# KiCad board HYDRA_VMM3_Adapter_V2.kicad_pcb (continued)
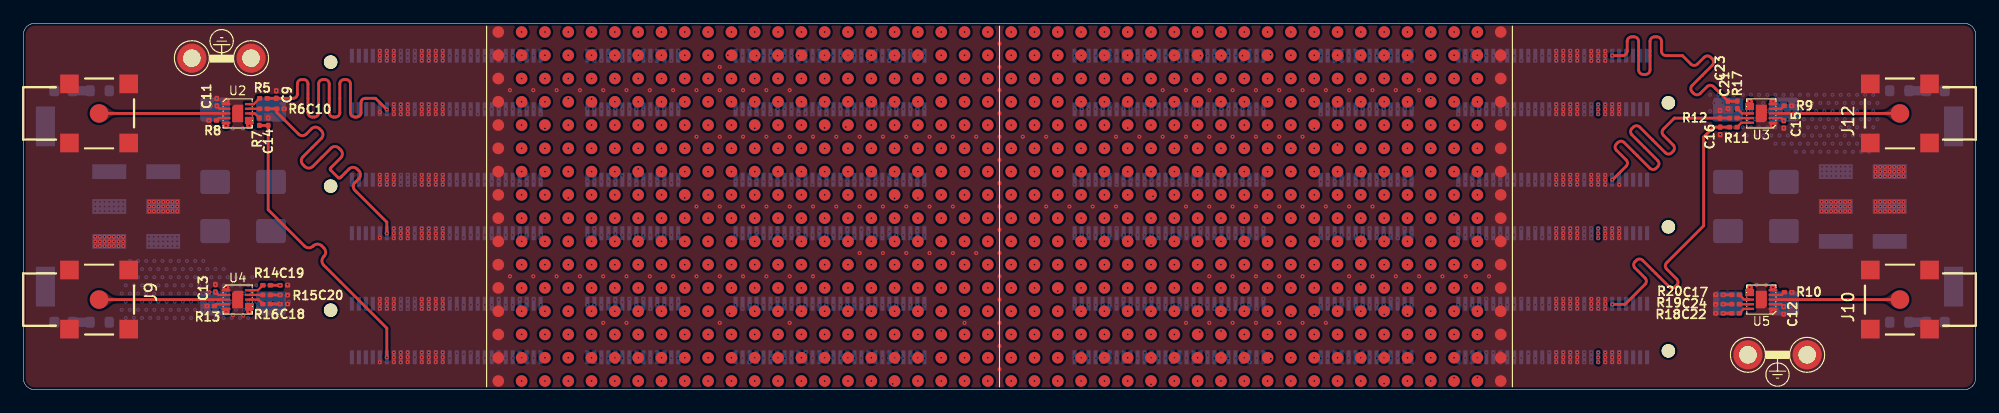
[diagram p0: board, top side]
## Routing (per net, layer and track width the routed paths; a pad name or vN(x,y) marks a point on that pad's centre or on a via; arc(x,y) is an arc through that point) (continued)
Col_2-Row_1: length 7
  In1.Cu w0.1: v6(36.59,28.71) 38.62,30.75 v1(42.75,30.75)
Col_2-Row_2: length 6.1
  In1.Cu w0.1: v6(37.19,28.71) 37.86,28.04 42.04,28.04 v1(42.75,28.75)
Col_2-Row_3: length 5.8
  In5.Cu w0.1: v7(42.75,26.75) 39.75,26.75 v3(37.78,28.71)
Col_2-Row_4: length 6.4
  In1.Cu w0.1: v1(42.75,24.75) 37.23,24.75 v6(36.59,24.11)
Col_2-Row_5: length 6.1
  In3.Cu w0.1: v5(37.19,24.11) 38.55,22.75 v4(42.75,22.75)
Col_2-Row_6: length 6.4
  In1.Cu w0.1: v1(42.75,20.75) 41.15,20.75 v6(37.78,24.11)
Col_2-Row_7: length 5.9
  In1.Cu w0.1: v6(37.19,17.91) 38.03,18.75 v1(42.75,18.75)
Col_2-Row_8: length 6.8
  In1.Cu w0.1: v1(42.75,16.75) 42.54,16.54 37.96,16.54 v6(36.59,17.91)
Col_2-Row_9: length 6.8
  In1.Cu w0.1: v6(36.59,13.31) 38.03,14.75 v1(42.75,14.75)
Col_2-Row_10: length 6.1
  In1.Cu w0.1: v1(42.75,12.75) 41.79,13.71 37.59,13.71 v6(37.19,13.31)
Col_2-Row_11: length 6
  In1.Cu w0.1: v6(37.78,13.09) 37.78,12.96 39.99,10.75 v1(42.75,10.75)
Col_2-Row_12: length 2.4
  In5.Cu w0.1: v3(41.39,7.31) 41.39,8.04 42.09,8.75 v7(42.75,8.75)
Col_2-Row_13: length 2.4
  In1.Cu w0.1: v1(42.75,6.75) 41.78,6.75 v6(40.78,7.74)
Col_2-Row_14: length 7.4
  In1.Cu w0.1: v6(36.59,7.78) 37.06,7.78 40.09,4.75 v1(42.75,4.75)
Col_2-Row_15: length 8
  In1.Cu w0.1: v6(37.19,6.99) 37.19,5.84 40.28,2.75 v1(42.75,2.75)
Col_2-Row_16: length 10.1
  In3.Cu w0.1: v4(42.75,0.75) 40.23,0.75 37.78,3.2 v5(37.78,7.31)
Col_3-Row_1: length 7.2
  In1.Cu w0.1: v6(38.39,28.71) 39.87,30.2 44.2,30.2 v1(44.75,30.75)
Col_3-Row_2: length 7.1
  In1.Cu w0.1: v1(44.75,28.75) 43.56,27.56 v2(39.47,27.56)
  In5.Cu w0.1: v3(38.98,28.71) 38.98,28.04 v2(39.47,27.56)
Col_3-Row_3: length 6
  In3.Cu w0.1: v4(44.75,26.75) 44.13,27.37 40.92,27.37 v5(39.59,28.71)
Col_3-Row_4: length 6.6
  In1.Cu w0.1: v6(38.39,24.11) 38.62,24.35 44.35,24.35 v1(44.75,24.75)
Col_3-Row_5: length 6.4
  In1.Cu w0.1: v1(44.75,22.46) 44.67,22.38 41.45,22.38 40.11,23.72 v6(38.98,23.72)
Col_3-Row_6: length 6.6
  In5.Cu w0.1: v7(44.75,20.75) 42.95,20.75 v3(39.59,24.11)
Col_3-Row_7: length 7.6
  In1.Cu w0.1: v1(44.75,18.75) 44.3,19.2 38.85,19.2 v2(38.83,19.18)
  In5.Cu w0.1: v3(38.39,17.91) 38.39,18.74 v2(38.83,19.18)
Col_3-Row_8: length 7.4
  In1.Cu w0.1: v6(37.78,17.91) 38.52,17.17 44.33,17.17 v1(44.75,16.75)
Col_3-Row_9: length 7
  In3.Cu w0.1: v5(38.39,13.31) 39.83,14.75 v4(44.75,14.75)
Col_3-Row_10: length 6.3
  In1.Cu w0.1: v1(44.75,12.75) 44.32,12.32 39.97,12.32 v6(38.98,13.31)
Col_3-Row_11: length 6.2
  In5.Cu w0.1: v3(39.59,13.31) 42.15,10.75 v7(44.75,10.75)
Col_3-Row_12: length 2.6
  In5.Cu w0.1: v3(42.59,7.77) 43.56,8.75 v7(44.75,8.75)
Col_3-Row_13: length 3
  In1.Cu w0.1: v6(41.98,7.31) 42.72,7.31 43.28,6.75 v1(44.75,6.75)
Col_3-Row_14: length 7.4
  In1.Cu w0.1: v6(38.39,7.31) 40.38,5.32 44.18,5.32 v1(44.75,4.75)
Col_3-Row_15: length 8.8
  In1.Cu w0.1: v10(43.81,3.7) 43.81,3.68 v1(44.75,2.75)
  In3.Cu w0.1: v9(43.83,5.66) 43.81,5.65 v10(43.81,3.7)
  In5.Cu w0.1: v3(38.98,7.31) 40.64,5.66 v9(43.83,5.66)
Col_3-Row_16: length 8.7
  In3.Cu w0.1: v4(44.75,0.75) 39.59,5.91 v5(39.59,7.31)
Col_4-Row_1: length 7.4
  In3.Cu w0.1: v5(40.19,28.71) 42.23,30.75 v4(46.75,30.75)
Col_4-Row_2: length 6.5
  In1.Cu w0.1: v6(40.78,28.71) 41.47,29.39 46.11,29.39 v1(46.75,28.75)
Col_4-Row_3: length 6.2
  In5.Cu w0.1: v3(41.39,28.71) 43.34,26.75 v7(46.75,26.75)
Col_4-Row_4: length 6.9
  In3.Cu w0.1: v4(46.75,25.03) 41.11,25.03 v5(40.19,24.11)
Col_4-Row_5: length 6.5
  In5.Cu w0.1: v7(46.75,22.75) 42.15,22.75 v3(40.78,24.11)
Col_4-Row_6: length 6.8
  In3.Cu w0.1: v4(46.75,20.75) 44.38,23.12 42.37,23.12 v5(41.39,24.11)
Col_4-Row_7: length 7.9
  In3.Cu w0.1: v4(46.75,18.75) 46.33,19.17 40.84,19.17 v5(39.59,17.91)
Col_4-Row_8: length 8.5
  In5.Cu w0.1: v3(38.98,17.91) 40.6,16.29 46.55,16.29 v7(46.75,16.49)
Col_4-Row_9: length 7.2
  In5.Cu w0.1: v3(40.19,13.31) 41.62,14.75 v7(46.75,14.75)
Col_4-Row_10: length 6.2
  In3.Cu w0.1: v5(40.78,13.31) 41.34,12.75 v4(46.75,12.75)
Col_4-Row_11: length 6.4
  In5.Cu w0.1: v7(46.75,10.75) 46.12,11.38 43.31,11.38 v3(41.39,13.31)
Col_4-Row_12: length 3.4
  In5.Cu w0.1: v3(43.78,7.76) 45.76,7.76 v7(46.75,8.75)
Col_4-Row_13: length 3.9
  In5.Cu w0.1: v7(46.75,6.75) 44.03,6.75 v3(43.19,7.6)
Col_4-Row_14: length 7.6
  In1.Cu w0.1: v6(40.19,7.31) 41.42,6.07 45.43,6.07 v1(46.75,4.75)
Col_4-Row_15: length 11.6
  In1.Cu w0.1: v1(46.75,2.75) 46.55,2.75 45.09,4.21 v2(39.4,4.21)
  In5.Cu w0.1: v2(39.4,4.21) 37.66,4.21 36.59,3.14 v3(36.59,2.71)
Col_4-Row_16: length 11.1
  In5.Cu w0.1: v3(37.19,3.13) 37.19,2.78 39.68,0.28 46.28,0.28 v7(46.75,0.75)
Col_5-Row_1: length 7.6
  In3.Cu w0.1: v4(48.75,30.75) 47.95,29.95 43.23,29.95 v5(41.98,28.71)
Col_5-Row_2: length 6.2
  In3.Cu w0.1: v5(42.59,28.71) 42.62,28.75 v4(48.75,28.75)
Col_5-Row_3: length 6.4
  In5.Cu w0.1: v7(48.75,26.75) 47.83,27.67 44.23,27.67 v3(43.19,28.71)
Col_5-Row_4: length 7.1
  In5.Cu w0.1: v3(41.98,24.11) 42.88,25 v7(48.75,25)
Col_5-Row_5: length 6.6
  In1.Cu w0.1: v1(48.75,22.75) 48.17,23.33 43.68,23.33 43.29,23.72 v6(42.59,23.72)
Col_5-Row_6: length 7
  In3.Cu w0.1: v4(48.75,20.75) 48.06,20.75 44.7,24.11 v5(43.19,24.11)
Col_5-Row_7: length 9
  In5.Cu w0.1: v7(48.75,18.75) 47.97,19.53 42.41,19.53 v3(40.78,17.91)
Col_5-Row_8: length 9
  In5.Cu w0.1: v7(48.75,16.75) 48.57,16.93 41.16,16.93 v3(40.19,17.91)
Col_5-Row_9: length 7.7
  In1.Cu w0.1: v7(48.75,14.75) 48.43,14.75
  In5.Cu w0.1: v3(41.98,13.31) 42.7,14.02 48.02,14.02 v7(48.75,14.75)
Col_5-Row_10: length 6.7
  In3.Cu w0.1: v4(48.75,12.75) 47.28,12.75 46.35,13.68 42.96,13.68 v5(42.59,13.31)
Col_5-Row_11: length 6.6
  In5.Cu w0.1: v3(43.19,13.31) 44.61,11.89 46.82,11.89 47.96,10.75 v7(48.75,10.75)
Col_5-Row_12: length 1.6
  In5.Cu w0.1: v3(48.4,7.31) 48.4,8.39 v7(48.75,8.75)
Col_5-Row_13: length 4.6
  In5.Cu w0.1: v7(48.75,6.75) 48.22,6.75 47.66,7.31 v3(44.39,7.31)
Col_5-Row_14: length 12.8
  In3.Cu w0.1: v9(41.51,5.01) 42.53,6.03 47.47,6.03 v4(48.75,4.75)
  In5.Cu w0.1: v9(41.51,5.01) 41.02,5.01 39.84,3.83 38.54,3.83 37.78,3.08 v3(37.78,3.05)
Col_5-Row_15: length 10.9
  In1.Cu w0.1: v6(38.39,3.15) 39.08,3.15 39.94,2.28 48.28,2.28 v1(48.75,2.75)
Col_5-Row_16: length 11.4
  In1.Cu w0.1: v1(48.75,0.75) 48.25,0.25 40.7,0.25 38.98,1.96 v6(38.98,2.71)
Col_6-Row_1: length 8.4
  In5.Cu w0.1: v3(43.78,28.71) 43.78,29.65 44.89,30.75 v7(50.75,30.75)
Col_6-Row_2: length 6.9
  In1.Cu w0.1: v2(47.75,29.35) 50.15,29.35 v1(50.75,28.75)
  In5.Cu w0.1: v2(47.75,29.35) 47.11,28.71 v3(44.39,28.71)
Col_6-Row_3: length 2.4
  In3.Cu w0.1: v5(49,28.3) 50.55,26.75 v4(50.75,26.75)
Col_6-Row_4: length 7.2
  In1.Cu w0.1: v2(47.8,24.5) 50.5,24.5 v1(50.75,24.75)
  In5.Cu w0.1: v3(43.78,24.11) 44.17,24.5 v2(47.8,24.5)
Col_6-Row_5: length 6.8
  In1.Cu w0.1: v6(44.39,23.71) 49.79,23.71 v1(50.75,22.75)
Col_6-Row_6: length 4.3
  In5.Cu w0.1: v3(48.4,24.11) 48.4,23.1 v7(50.75,20.75)
Col_6-Row_7: length 9.5
  In1.Cu w0.1: v2(47.73,18.79) 48.17,18.36 50.36,18.36 v1(50.75,18.75)
  In5.Cu w0.1: v2(47.73,18.79) 47.67,18.86 42.93,18.86 v3(41.98,17.91)
Col_6-Row_8: length 10.2
  In3.Cu w0.1: v5(41.39,17.91) 41.76,18.28 48.3,18.28 49.83,16.75 v4(50.75,16.75)
Col_6-Row_9: length 7.9
  In1.Cu w0.1: v6(43.78,13.31) 46.18,13.31 48.01,15.14 50.36,15.14 v1(50.75,14.75)
Col_6-Row_10: length 6.6
  In1.Cu w0.1: v2(47.31,13.31) 50.19,13.31 v1(50.75,12.75)
  In5.Cu w0.1: v2(47.31,13.31) v3(44.39,13.31)
Col_6-Row_11: length 3.5
  In5.Cu w0.1: v3(48.4,13.31) 48.4,13.1 v7(50.75,10.75)
Col_6-Row_12: length 1.9
  In5.Cu w0.1: v7(50.75,8.75) 49.59,7.59 v3(49.59,7.31)
Col_6-Row_13: length 2
  In5.Cu w0.1: v7(50.75,6.75) 49.56,6.75 v3(49,7.31)
Col_6-Row_14: length 12
  In5.Cu w0.1: v7(50.75,4.75) 50.52,4.52 41.4,4.52 v3(39.59,2.71)
Col_6-Row_15: length 11.9
  In1.Cu w0.1: v10(41.25,1.37) 49.37,1.37 v1(50.75,2.75)
  In3.Cu w0.1: v10(41.25,1.37) 40.19,2.43 v5(40.19,2.71)
Col_6-Row_16: length 10.8
  In5.Cu w0.1: v3(40.78,2.71) 42.37,1.12 47.48,1.12 47.86,0.75 v7(50.75,0.75)
Col_7-Row_1: length 5.2
  In5.Cu w0.1: v3(48.4,28.71) 48.77,29.08 50.22,29.08 51.89,30.75 v7(52.75,30.75)
Col_7-Row_2: length 3.6
  In1.Cu w0.1: v6(49.59,28.33) 49.61,28.32 50.86,28.32 51.59,29.05 52.45,29.05 v1(52.75,28.75)
Col_7-Row_3: length 3.4
  In3.Cu w0.1: v4(52.75,26.75) 52.16,26.75 v5(50.2,28.71)
Col_7-Row_4: length 4
  In5.Cu w0.1: v7(52.75,24.75) 49.64,24.75 v3(49,24.11)
Col_7-Row_5: length 3.7
  In3.Cu w0.1: v5(49.59,24.11) 50.95,22.75 v4(52.75,22.75)
Col_7-Row_6: length 4.4
  In5.Cu w0.1: v3(50.2,24.11) 50.2,23.3 v7(52.75,20.75)
Col_7-Row_7: length 10
  In5.Cu w0.1: v7(52.75,18.98) 50.01,18.98 49.39,18.36 43.64,18.36 v3(43.19,17.91)
Col_7-Row_8: length 10.6
  In1.Cu w0.1: v6(42.59,17.68) 42.84,17.43 50.8,17.43 51.48,16.75 v1(52.75,16.75)
Col_7-Row_9: length 4.1
  In1.Cu w0.1: v1(52.75,14.75) 51.36,14.75 50.44,13.83 v6(49,13.83)
Col_7-Row_10: length 3.4
  In3.Cu w0.1: v4(52.75,12.75) 50.16,12.75 v5(49.59,13.31)
Col_7-Row_11: length 3.6
  In5.Cu w0.1: v7(52.75,10.75) 52.75,10.75 v3(50.2,13.31)
Col_7-Row_12: length 2.4
  In5.Cu w0.1: v3(50.8,7.74) 51.81,8.75 v7(52.75,8.75)
Col_7-Row_13: length 2.8
  In1.Cu w0.1: v6(50.2,7.31) 50.89,7.31 51.45,6.75 v1(52.75,6.75)
Col_7-Row_14: length 12.9
  In1.Cu w0.1: v1(52.75,4.75) 52.45,5.05 v2(51.66,5.05)
  In3.Cu w0.1: v9(42.44,3.76) 42.98,3.22 49.83,3.22 v2(51.66,5.05)
  In5.Cu w0.1: v9(42.44,3.76) v3(41.39,2.71)
Col_7-Row_15: length 11.6
  In1.Cu w0.1: v2(46.22,3.68) 46.75,3.16 52.34,3.16 v1(52.75,2.75)
  In5.Cu w0.1: v3(41.98,2.71) 42.96,3.68 v2(46.22,3.68)
Col_7-Row_16: length 11
  In5.Cu w0.1: v3(42.59,2.71) 43.92,1.38 50.97,1.38 51.6,0.75 v7(52.75,0.75)
Col_8-Row_1: length 4.8
  In3.Cu w0.1: v5(50.8,28.71) 51.56,28.71 53.61,30.75 v4(54.75,30.75)
Col_8-Row_2: length 3.5
  In1.Cu w0.1: v6(51.4,28.33) 53.13,28.33 53.55,28.75 v1(54.75,28.75)
Col_8-Row_3: length 3.6
  In5.Cu w0.1: v7(54.75,26.75) 53.95,26.75 v3(52,28.71)
Col_8-Row_4: length 4.2
  In1.Cu w0.1: v1(54.75,24.75) 54.75,24.75 54.06,24.07 v6(50.8,24.07)
Col_8-Row_5: length 3.9
  In5.Cu w0.1: v3(51.4,24.11) 52.76,22.75 v7(54.75,22.75)
Col_8-Row_6: length 4.5
  In3.Cu w0.1: v5(52,24.11) 54.75,21.35 v4(54.75,20.75)
Col_8-Row_7: length 10.7
  In1.Cu w0.1: v1(54.75,18.75) 53.91,17.91 v2(47.02,17.91)
  In5.Cu w0.1: v2(47.02,17.91) 47.01,17.92 44.4,17.92 v3(44.39,17.91)
Col_8-Row_8: length 12
  In3.Cu w0.1: v5(43.78,17.91) 44.15,17.91 46.01,16.05 54.05,16.05 v4(54.75,16.75)
Col_8-Row_9: length 4.5
  In1.Cu w0.1: v6(50.8,13.47) 51.45,14.13 54.13,14.13 v1(54.75,14.75)
Col_8-Row_10: length 4
  In3.Cu w0.1: v5(51.4,13.31) 51.89,13.8 53.7,13.8 v4(54.75,12.75)
Col_8-Row_11: length 3.8
  In5.Cu w0.1: v3(52,13.31) 54.56,10.75 v7(54.75,10.75)
Col_8-Row_12: length 3.2
  In1.Cu w0.1: v6(52,7.79) 52.46,7.79 53.42,8.75 v1(54.75,8.75)
Col_8-Row_13: length 3.7
  In1.Cu w0.1: v6(51.4,7.52) 51.55,7.36 54.14,7.36 v1(54.75,6.75)
Col_8-Row_14: length 12.4
  In1.Cu w0.1: v2(47.08,3.84) 47.59,4.36 54.36,4.36 v1(54.75,4.75)
  In5.Cu w0.1: v2(47.08,3.84) 46.49,3.25 43.73,3.25 v3(43.19,2.71)
Col_8-Row_15: length 12.2
  In1.Cu w0.1: v2(48.42,3.87) 48.8,3.48 54.02,3.48 v1(54.75,2.75)
  In5.Cu w0.1: v3(43.78,2.71) 44.19,2.3 46.85,2.3 v2(48.42,3.87)
Col_8-Row_16: length 11.2
  In3.Cu w0.1: v5(44.39,2.71) 51.76,2.71 53.72,0.75 v4(54.75,0.75)
Col_9-Row_1: length 5
  In5.Cu w0.1: v7(56.75,30.75) 54.64,30.75 v3(52.59,28.71)
Col_9-Row_2: length 4
  In5.Cu w0.1: v3(53.2,28.71) 53.78,29.29 55.28,29.29 55.82,28.74 56.75,28.74 v7(56.75,28.75)
Col_9-Row_3: length 3.6
  In1.Cu w0.1: v1(56.75,26.75) 55.38,26.75 v6(53.8,28.33)
Col_9-Row_4: length 3.8
  In3.Cu w0.1: v5(53.2,24.11) 53.84,24.75 v4(56.75,24.75)
Col_9-Row_5: length 4.7
  In5.Cu w0.1: v7(56.75,22.75) 56,22.75 55.11,23.64 53.07,23.64 v3(52.59,24.11)
Col_9-Row_6: length 8.3
  In3.Cu w0.1: v4(56.75,20.75) 55.87,19.87 51.56,19.87 v5(49.59,17.91)
Col_9-Row_7: length 8.6
  In3.Cu w0.1: v4(56.75,18.75) 56.49,18.49 51.11,18.49 v9(49.87,17.25)
  In5.Cu w0.1: v9(49.87,17.25) 49.66,17.25 v3(49,17.91)
Col_9-Row_8: length 9.1
  In5.Cu w0.1: v3(48.4,17.91) 50.05,16.26 56.53,16.26 v7(56.75,16.48)
Col_9-Row_9: length 4.8
  In5.Cu w0.1: v7(56.75,14.75) 54.03,14.75 v3(52.59,13.31)
Col_9-Row_10: length 4.3
  In1.Cu w0.1: v6(53.2,13.31) 54.36,12.15 56.15,12.15 v1(56.75,12.75)
Col_9-Row_11: length 4
  In5.Cu w0.1: v3(53.8,13.31) 56.36,10.75 v7(56.75,10.75)
Col_9-Row_12: length 4
  In1.Cu w0.1: v1(56.75,8.75) 55.61,8.75 54.64,7.78 v6(53.19,7.78)
Col_9-Row_13: length 4.5
  In5.Cu w0.1: v7(56.75,6.75) 56.62,6.61 53.29,6.61 v3(52.59,7.31)
Col_9-Row_14: length 9.2
  In1.Cu w0.1: v1(56.75,4.75) 56.74,4.76 55.41,4.76 54.57,3.92 49.65,3.92 v2(49.64,3.93)
  In5.Cu w0.1: v2(49.64,3.93) 49.62,3.93 v3(48.4,2.71)
Col_9-Row_15: length 8.6
  In1.Cu w0.1: v1(56.75,2.75) 56.24,2.24 51.08,2.24 v2(50.59,1.75)
  In5.Cu w0.1: v3(49,2.71) 49.95,1.75 v2(50.59,1.75)
Col_9-Row_16: length 8
  In1.Cu w0.1: v2(51.51,1.42) 51.8,1.13 55.12,1.13 55.5,0.75 v1(56.75,0.75)
  In5.Cu w0.1: v2(51.51,1.42) 50.78,2.15 50.15,2.15 v3(49.59,2.71)
Col_10-Row_1: length 5.2
  In3.Cu w0.1: v4(58.75,30.75) 57.88,29.88 55.56,29.88 v5(54.4,28.71)
Col_10-Row_2: length 4.1
  In3.Cu w0.1: v5(55,28.71) 55.38,28.33 58.33,28.33 v4(58.75,28.75)
Col_10-Row_3: length 3.8
  In5.Cu w0.1: v7(58.75,26.75) 57.16,26.75 v3(55.59,28.31)
Col_10-Row_4: length 4.6
  In5.Cu w0.1: v7(58.75,24.75) 55.03,24.75 v3(54.4,24.11)
Col_10-Row_5: length 5.5
  In3.Cu w0.1: v4(58.75,22.75) 58.09,23.41 54.5,23.41 v5(53.8,24.11)
Col_10-Row_6: length 8.3
  In1.Cu w0.1: v2(55.77,19.35) 57.34,19.35 58.75,20.75 v1(58.75,20.75)
  In5.Cu w0.1: v3(51.4,18.38) 53.01,18.38 53.97,19.35 v2(55.77,19.35)
Col_10-Row_7: length 8.8
  In1.Cu w0.1: v1(58.75,18.75) 57.37,17.37 v2(51.75,17.37)
  In5.Cu w0.1: v3(50.8,17.91) 51.34,17.37 v2(51.75,17.37)
Col_10-Row_8: length 9
  In5.Cu w0.1: v7(58.75,16.75) 58.63,16.87 51.23,16.87 v3(50.2,17.91)
Col_10-Row_9: length 5
  In5.Cu w0.1: v3(54.4,13.31) 54.84,13.76 57.76,13.76 v7(58.75,14.75)
Col_10-Row_10: length 4
  In5.Cu w0.1: v7(58.75,12.75) 55.56,12.75 v3(55,13.31)
Col_10-Row_11: length 4.5
  In1.Cu w0.1: v1(58.75,10.75) 58.75,11.28 56.72,13.31 v6(55.59,13.31)
Col_10-Row_12: length 5
  In5.Cu w0.1: v7(58.75,8.75) 55.84,8.75 v3(54.4,7.31)
Col_10-Row_13: length 5.4
  In1.Cu w0.1: v6(53.8,6.99) 54.41,6.38 58.38,6.38 v1(58.75,6.75)
Col_10-Row_14: length 9.8
  In5.Cu w0.1: v3(50.2,2.71) 52.67,5.19 58.31,5.19 v7(58.75,4.75)
Col_10-Row_15: length 9.8
  In1.Cu w0.1: v1(58.75,2.75) 58.75,1.81 v2(58.54,1.61)
  In5.Cu w0.1: v3(50.8,2.71) 50.86,2.71 52.36,1.21 58.15,1.21 v2(58.54,1.61)
Col_10-Row_16: length 8.2
  In1.Cu w0.1: v1(58.75,0.75) 58.24,1.26 55.34,1.26 54.96,1.64 v2(53.43,1.64)
  In5.Cu w0.1: v2(53.43,1.64) 52.46,1.64 v3(51.4,2.71)
Col_11-Row_1: length 5.2
  In5.Cu w0.1: v3(56.2,29.12) 57.83,30.75 v7(60.75,30.75)
Col_11-Row_2: length 0.8
  In5.Cu w0.1: 61.01,28.61 v3(61.1,28.71) 61.06,28.75 v7(60.44,28.75)
Col_11-Row_3: length 2.4
  In5.Cu w0.1: v7(60.75,26.75) 61.71,27.7 v3(61.71,28.71)
Col_11-Row_4: length 5.4
  In3.Cu w0.1: v4(60.75,24.75) 60.11,24.11 v5(55.59,24.11)
Col_11-Row_5: length 6.3
  In5.Cu w0.1: v3(55,24.11) 55.72,23.38 60.12,23.38 v7(60.75,22.75)
Col_11-Row_6: length 8.7
  In5.Cu w0.1: v7(60.75,20.75) 58.12,20.75 56.28,18.92 54.2,18.92 v3(53.2,17.91)
Col_11-Row_7: length 8.6
  In3.Cu w0.1: v4(60.75,18.75) 60.38,18.75 59.87,18.23 53.12,18.23 v5(52.59,17.71)
Col_11-Row_8: length 9.3
  In5.Cu w0.1: v3(52,17.91) 52,17.73 52.61,17.12 58.59,17.12 58.59,17.12 60.38,17.12 v7(60.75,16.75)
Col_11-Row_9: length 5.2
  In5.Cu w0.1: v7(60.75,14.75) 59.32,13.32 56.21,13.32 v3(56.2,13.31)
Col_11-Row_10: length 0.7
  In5.Cu w0.1: v3(61.1,13.31) 60.75,12.95 v7(60.75,12.75)
Col_11-Row_11: length 3
  In5.Cu w0.1: v3(61.71,13.31) 61.71,11.7 v7(60.75,10.75)
Col_11-Row_12: length 6
  In1.Cu w0.1: v1(60.75,8.75) 60.1,8.1 55.94,8.1 55.59,7.76 v6(55.59,7.31)
Col_11-Row_13: length 6.5
  In5.Cu w0.1: v3(55,7.31) 55.66,7.97 59.18,7.97 v7(60.59,6.55)
Col_11-Row_14: length 10.5
  In1.Cu w0.1: v1(60.75,4.75) 60.23,4.23 58.28,4.23 57.34,5.17 54.16,5.17 v2(53.81,4.81)
  In5.Cu w0.1: v2(53.81,4.81) 53.81,4.52 v3(52,2.71)
Col_11-Row_15: length 9.3
  In1.Cu w0.1: v2(55.52,1.69) 56.32,1.69 57.76,3.13 60.37,3.13 v1(60.75,2.75)
  In5.Cu w0.1: v2(55.52,1.69) 55.04,2.17 53.13,2.17 v3(52.59,2.71)
Col_11-Row_16: length 8.4
  In3.Cu w0.1: v5(53.2,2.71) 56.91,2.71 58.87,0.75 v4(60.75,0.75)
Col_12-Row_1: length 2.2
  In5.Cu w0.1: v7(62.75,30.75) 62.31,30.3 v3(62.31,28.71)
Col_12-Row_2:
  vias: v8(62.91,28.71)
Col_12-Row_3: length 2.3
  In5.Cu w0.1: v7(62.75,26.75) 63.5,27.5 v3(63.5,28.71)
Col_12-Row_4: length 1.9
  In5.Cu w0.1: v3(61.1,24.11) 61.75,24.75 v7(62.75,24.75)
Col_12-Row_5: length 7.2
  In5.Cu w0.1: v3(56.2,24.11) 60.57,24.11 62.2,22.48 v7(62.75,22.48)
Col_12-Row_6: length 8.8
  In5.Cu w0.1: v7(62.75,20.75) 61.28,20.07 arc(61.13,19.99) 61,19.88 59.47,18.38 55.47,18.38 v3(55,17.91)
Col_12-Row_7: length 9.2
  In1.Cu w0.1: v1(62.75,18.75) 62.19,19.31 v2(59.65,19.31)
  In5.Cu w0.1: v2(59.65,19.31) 59,18.67 55.15,18.67 v3(54.4,17.91)
Col_12-Row_8: length 9.4
  In5.Cu w0.1: v3(53.8,17.91) 54.33,17.38 62.12,17.38 v7(62.75,16.75)
Col_12-Row_9: length 1.6
  In5.Cu w0.1: v7(62.75,14.75) 62.31,14.3 v3(62.31,13.31)
Col_12-Row_10: length 0.8
  In5.Cu w0.1: v7(62.75,12.75) 62.91,12.91 v3(62.91,13.52)
Col_12-Row_11: length 2.9
  In5.Cu w0.1: v3(63.5,13.31) 63.5,11.5 v7(62.75,10.75)
Col_12-Row_12: length 2.2
  In5.Cu w0.1: v7(62.75,8.75) 62.55,8.75 v3(61.1,7.31)
Col_12-Row_13: length 6.9
  In1.Cu w0.1: v6(56.19,7.59) 61.91,7.59 v1(62.75,6.75)
Col_12-Row_14: length 9.8
  In5.Cu w0.1: v7(62.75,4.75) 62.01,4.01 55.09,4.01 v3(53.8,2.71)
Col_12-Row_15: length 9.4
  In1.Cu w0.1: v1(62.75,2.75) 62.69,2.81 61.77,2.81 61.19,2.23 60.16,2.23 v2(59.77,2.62)
  In5.Cu w0.1: v2(59.77,2.62) 58.98,3.41 55.09,3.41 v3(54.4,2.71)
Col_12-Row_16: length 8.8
  In5.Cu w0.1: v7(62.75,0.75) 60.44,0.75 59.01,2.18 58.33,2.18 58.08,1.93 55.94,1.93 55.74,2.14 55.57,2.14 v3(55,2.71)
Col_13-Row_1: length 2.3
  In5.Cu w0.1: v7(64.75,30.75) 64.1,30.1 v3(64.1,28.71)
Col_13-Row_2:
  vias: v8(64.71,28.71)
Col_13-Row_3: length 2.2
  In5.Cu w0.1: v3(65.31,28.71) 65.31,27.3 v7(64.75,26.75)
Col_13-Row_4: length 2.7
  In1.Cu w0.1: v6(62.31,24.11) 64.11,24.11 v1(64.75,24.75)
Col_13-Row_5: length 3.6
  In5.Cu w0.1: v3(61.71,24.11) 63.06,22.75 v7(64.75,22.75)
Col_13-Row_6: length 4.7
  In5.Cu w0.1: v3(61.1,17.91) 62.92,19.78 arc(63.04,19.89) 63.19,19.98 v7(64.75,20.75)
Col_13-Row_7: length 8.9
  In1.Cu w0.1: v1(64.75,18.75) 64.35,18.35 60.78,18.35 v2(60.41,17.98)
  In5.Cu w0.1: v2(60.41,17.98) 60.34,17.91 v3(56.2,17.91)
Col_13-Row_8: length 9.6
  In3.Cu w0.1: v5(55.59,17.8) 56.22,17.18 64.32,17.18 v4(64.75,16.75)
Col_13-Row_9: length 1.7
  In5.Cu w0.1: v3(64.1,13.31) 64.1,14.1 v7(64.75,14.75)
Col_13-Row_10: length 0.9
  In5.Cu w0.1: v7(64.75,12.75) 64.75,12.88 64.71,12.93 v3(64.71,13.59)
Col_13-Row_11: length 2.8
  In5.Cu w0.1: v3(65.31,13.31) 65.31,11.3 v7(64.75,10.75)
Col_13-Row_12: length 3
  In5.Cu w0.1: v7(64.75,8.75) 63.75,8.75 v3(62.31,7.31)
Col_13-Row_13: length 3.5
  In1.Cu w0.1: v1(64.75,6.75) 64.38,6.38 62.34,6.38 v6(61.71,7.01)
Col_13-Row_14: length 10.8
  In3.Cu w0.1: v4(64.75,4.75) 64.26,5.24 60.73,5.24 v2(57.87,2.38)
  In5.Cu w0.1: v3(55.59,2.71) 56.01,2.29 57.78,2.29 v2(57.87,2.38)
Col_13-Row_15: length 11.6
  In1.Cu w0.1: v1(64.75,2.75) 63.66,3.84 v10(60.45,3.84)
  In3.Cu w0.1: v10(60.45,3.84) 60.45,1.75 v2(60.44,1.74)
  In5.Cu w0.1: v3(56.2,2.71) 56.32,2.84 58.89,2.84 59.99,1.74 v2(60.44,1.74)
Col_13-Row_16: length 4.5
  In5.Cu w0.1: v7(64.75,0.75) 63.88,0.75 62.94,1.68 62.13,1.68 v3(61.1,2.71)
Col_14-Row_1: length 2.4
  In5.Cu w0.1: v7(66.75,30.75) 66.75,29.52 65.94,28.71 v3(65.91,28.71)
Col_14-Row_2:
  vias: v8(66.5,28.71)
Col_14-Row_3: length 2.1
  In5.Cu w0.1: v3(67.1,28.71) 67.1,27.1 v7(66.75,26.75)
Col_14-Row_4: length 3.5
  In3.Cu w0.1: v4(66.75,24.75) 65.88,24.75 65.25,24.11 v5(63.5,24.11)
Col_14-Row_5: length 4.2
  In1.Cu w0.1: v1(66.75,22.75) 66.06,22.75 65.1,23.7 v6(62.91,23.7)
Col_14-Row_6: length 4.8
  In5.Cu w0.1: v7(66.75,20.75) 65.01,19.94 arc(64.85,19.85) 64.72,19.73 v3(62.91,17.91)
Col_14-Row_7: length 4.8
  In3.Cu w0.1: v5(62.31,17.91) 63.15,18.75 v4(66.75,18.75)
Col_14-Row_8: length 5.9
  In1.Cu w0.1: v6(61.71,17.91) 62.09,17.53 62.97,17.53 64.19,16.32 66.32,16.32 v1(66.75,16.75)
Col_14-Row_9: length 1.8
  In5.Cu w0.1: v7(66.75,14.75) 65.91,13.91 v3(65.91,13.31)
Col_14-Row_10: length 1
  In5.Cu w0.1: v7(66.75,12.75) 66.75,13.13 66.5,13.38 v3(66.5,13.63)
Col_14-Row_11: length 3.1
  In5.Cu w0.1: v7(66.75,10.75) 67.56,11.55 67.56,12.86 v3(67.1,13.31)
Col_14-Row_12: length 3.8
  In3.Cu w0.1: v4(66.75,8.75) 66.13,8.13 64.33,8.13 v5(63.5,7.31)
Col_14-Row_13: length 4.1
  In3.Cu w0.1: v5(62.91,7.31) 63.47,6.75 v4(66.75,6.75)
Col_14-Row_14: length 5.4
  In3.Cu w0.1: v5(61.71,2.71) v4(66.75,4.75)
Col_14-Row_15: length 4.8
  In1.Cu w0.1: v6(62.31,2.38) 62.51,2.18 65.48,2.18 65.48,2.18 66.18,2.18 v1(66.75,2.75)
Col_14-Row_16: length 4.7
  In5.Cu w0.1: v7(66.75,0.75) 66.2,1.3 64.31,1.3 v3(62.91,2.71)
Col_15-Row_1: length 2.5
  In5.Cu w0.1: v3(67.71,28.71) 67.72,28.71 68.75,29.73 68.75,30.74 v7(68.75,30.75)
Col_15-Row_2: length 2.7
  In1.Cu w0.1: v2(68.12,27.54) 68.12,28.12 v1(68.75,28.75)
  In5.Cu w0.1: v2(68.12,27.54) 68.12,28.53 v3(68.31,28.71)
Col_15-Row_3: length 1.6
  In5.Cu w0.1: v3(68.91,28.3) 68.91,27.55 68.75,27.39 v7(68.75,26.75)
Col_15-Row_4: length 4.6
  In1.Cu w0.1: v2(67.68,25.16) 68.34,25.16 v1(68.75,24.75)
  In5.Cu w0.1: v2(67.68,25.16) 65.75,25.16 v3(64.71,24.11)
Col_15-Row_5: length 5.1
  In3.Cu w0.1: v5(64.1,23.72) 64.68,23.72 65.9,22.5 v4(68.75,22.5)
Col_15-Row_6: length 5
  In5.Cu w0.1: v7(68.75,20.75) 66.59,19.78 arc(66.42,19.68) 66.27,19.56 v3(64.71,17.91)
Col_15-Row_7: length 5
  In3.Cu w0.1: v5(64.1,17.91) 64.57,18.38 68.38,18.38 v4(68.75,18.75)
Col_15-Row_8: length 5.7
  In1.Cu w0.1: v1(68.75,16.75) 67.94,16.75 67.54,17.15 64.27,17.15 v6(63.5,17.91)
Col_15-Row_9: length 1.9
  In5.Cu w0.1: v3(67.71,13.31) 67.71,13.7 v7(68.75,14.75)
Col_15-Row_10: length 1.1
  In1.Cu w0.1: v6(68.31,13.64) 68.75,13.19 v1(68.75,12.75)
Col_15-Row_11: length 2.6
  In5.Cu w0.1: v7(68.75,10.75) 68.91,10.91 v3(68.91,13.31)
Col_15-Row_12: length 4.5
  In1.Cu w0.1: v6(64.71,7.76) 65.32,8.37 68.37,8.37 v1(68.75,8.75)
Col_15-Row_13: length 5.2
  In1.Cu w0.1: v1(68.75,6.75) 68.37,6.37 65.66,6.37 64.72,7.31 v6(64.1,7.31)
Col_15-Row_14: length 6.1
  In5.Cu w0.1: v3(63.5,2.71) 65.55,4.75 v7(68.75,4.75)
Col_15-Row_15: length 5.3
  In1.Cu w0.1: v2(65.25,3.54) 67.96,3.54 v1(68.75,2.75)
  In5.Cu w0.1: v2(65.25,3.54) 64.94,3.54 v3(64.1,2.71)
Col_15-Row_16: length 4.9
  In5.Cu w0.1: v7(68.75,0.75) 67.68,0.75 66.55,1.88 65.53,1.88 v3(64.71,2.71)
Col_16-Row_1: length 2.6
  In5.Cu w0.1: v7(70.75,30.75) 70.75,29.95 v3(69.5,28.71)
Col_16-Row_2: length 0.7
  In1.Cu w0.1: v1(70.75,28.75) 70.71,28.71 v6(70.1,28.71)
Col_16-Row_3: length 1.6
  In5.Cu w0.1: v7(70.75,26.75) 70.71,26.79 v3(70.71,28.33)
Col_16-Row_4: length 5.1
  In3.Cu w0.1: v5(65.91,24.11) 66.94,24.11 67.34,24.52 70.52,24.52 v4(70.75,24.75)
Col_16-Row_5: length 5.9
  In5.Cu w0.1: v3(65.31,24.11) 66.84,22.58 v7(70.56,22.58)
Col_16-Row_6: length 5.2
  In5.Cu w0.1: v7(70.75,20.75) 69.74,20.21 68.96,19.8 arc(68.94,19.79) 68.93,19.78 68.08,19.37 arc(67.94,19.29) 67.82,19.19 v3(66.5,17.91)
Col_16-Row_7: length 5.2
  In1.Cu w0.1: v1(70.75,18.75) 69.91,18.75 69.44,18.29 66.25,18.29 v6(65.91,17.95)
Col_16-Row_8: length 5.9
  In3.Cu w0.1: v5(65.31,17.91) 66.47,16.75 v4(70.75,16.75)
Col_16-Row_9: length 2
  In5.Cu w0.1: v7(70.75,14.75) 69.5,13.5 v3(69.5,13.31)
Col_16-Row_10: length 0.9
  In5.Cu w0.1: v7(70.75,12.75) 70.66,12.75 v3(70.1,13.31)
Col_16-Row_11: length 5.7
  In5.Cu w0.1: v7(70.75,10.75) 69.94,10.75 v3(66.5,7.31)
Col_16-Row_12: length 5.4
  In3.Cu w0.1: v5(65.91,7.31) 66.78,8.18 69.47,8.18 70.04,8.75 v4(70.75,8.75)
Col_16-Row_13: length 6.4
  In1.Cu w0.1: v2(67.5,5.83) 68.67,5.83 69.6,6.75 v1(70.75,6.75)
  In5.Cu w0.1: v2(67.5,5.83) 66.79,5.83 v3(65.31,7.31)
Col_16-Row_14: length 6.3
  In5.Cu w0.1: v3(65.31,2.71) 66.61,4.02 70.02,4.02 v7(70.75,4.75)
Col_16-Row_15: length 5.4
  In3.Cu w0.1: v5(65.91,2.71) 66.53,2.08 70.08,2.08 v4(70.75,2.75)
Col_16-Row_16: length 5.1
  In5.Cu w0.1: v3(66.5,2.71) 67.85,1.36 69.16,1.36 69.77,0.75 v7(70.75,0.75)
Col_17-Row_1: length 2.6
  In5.Cu w0.1: v3(71.31,28.71) 71.31,29.3 v7(72.75,30.75)
Col_17-Row_2: length 0.9
  In1.Cu w0.1: v6(71.91,28.71) 72.71,28.71 v1(72.75,28.75)
Col_17-Row_3: length 1.7
  In5.Cu w0.1: v7(72.75,26.75) 72.5,26.99 v3(72.5,28.32)
Col_17-Row_4: length 6.1
  In3.Cu w0.1: v4(72.75,24.75) 71.69,24.75 71.06,24.12 67.46,24.12 v5(67.1,23.77)
Col_17-Row_5: length 6.6
  In3.Cu w0.1: v5(66.5,23.72) 67.27,22.95 72.55,22.95 v4(72.75,22.75)
Col_17-Row_6: length 5.4
  In5.Cu w0.1: v7(72.75,20.75) 71.96,20.55 70.85,20.14 70.21,19.64 v3(68.31,17.91)
Col_17-Row_7: length 5.9